# Altium PCB top_LM358.PcbDoc (part 4 of 6) (continued)
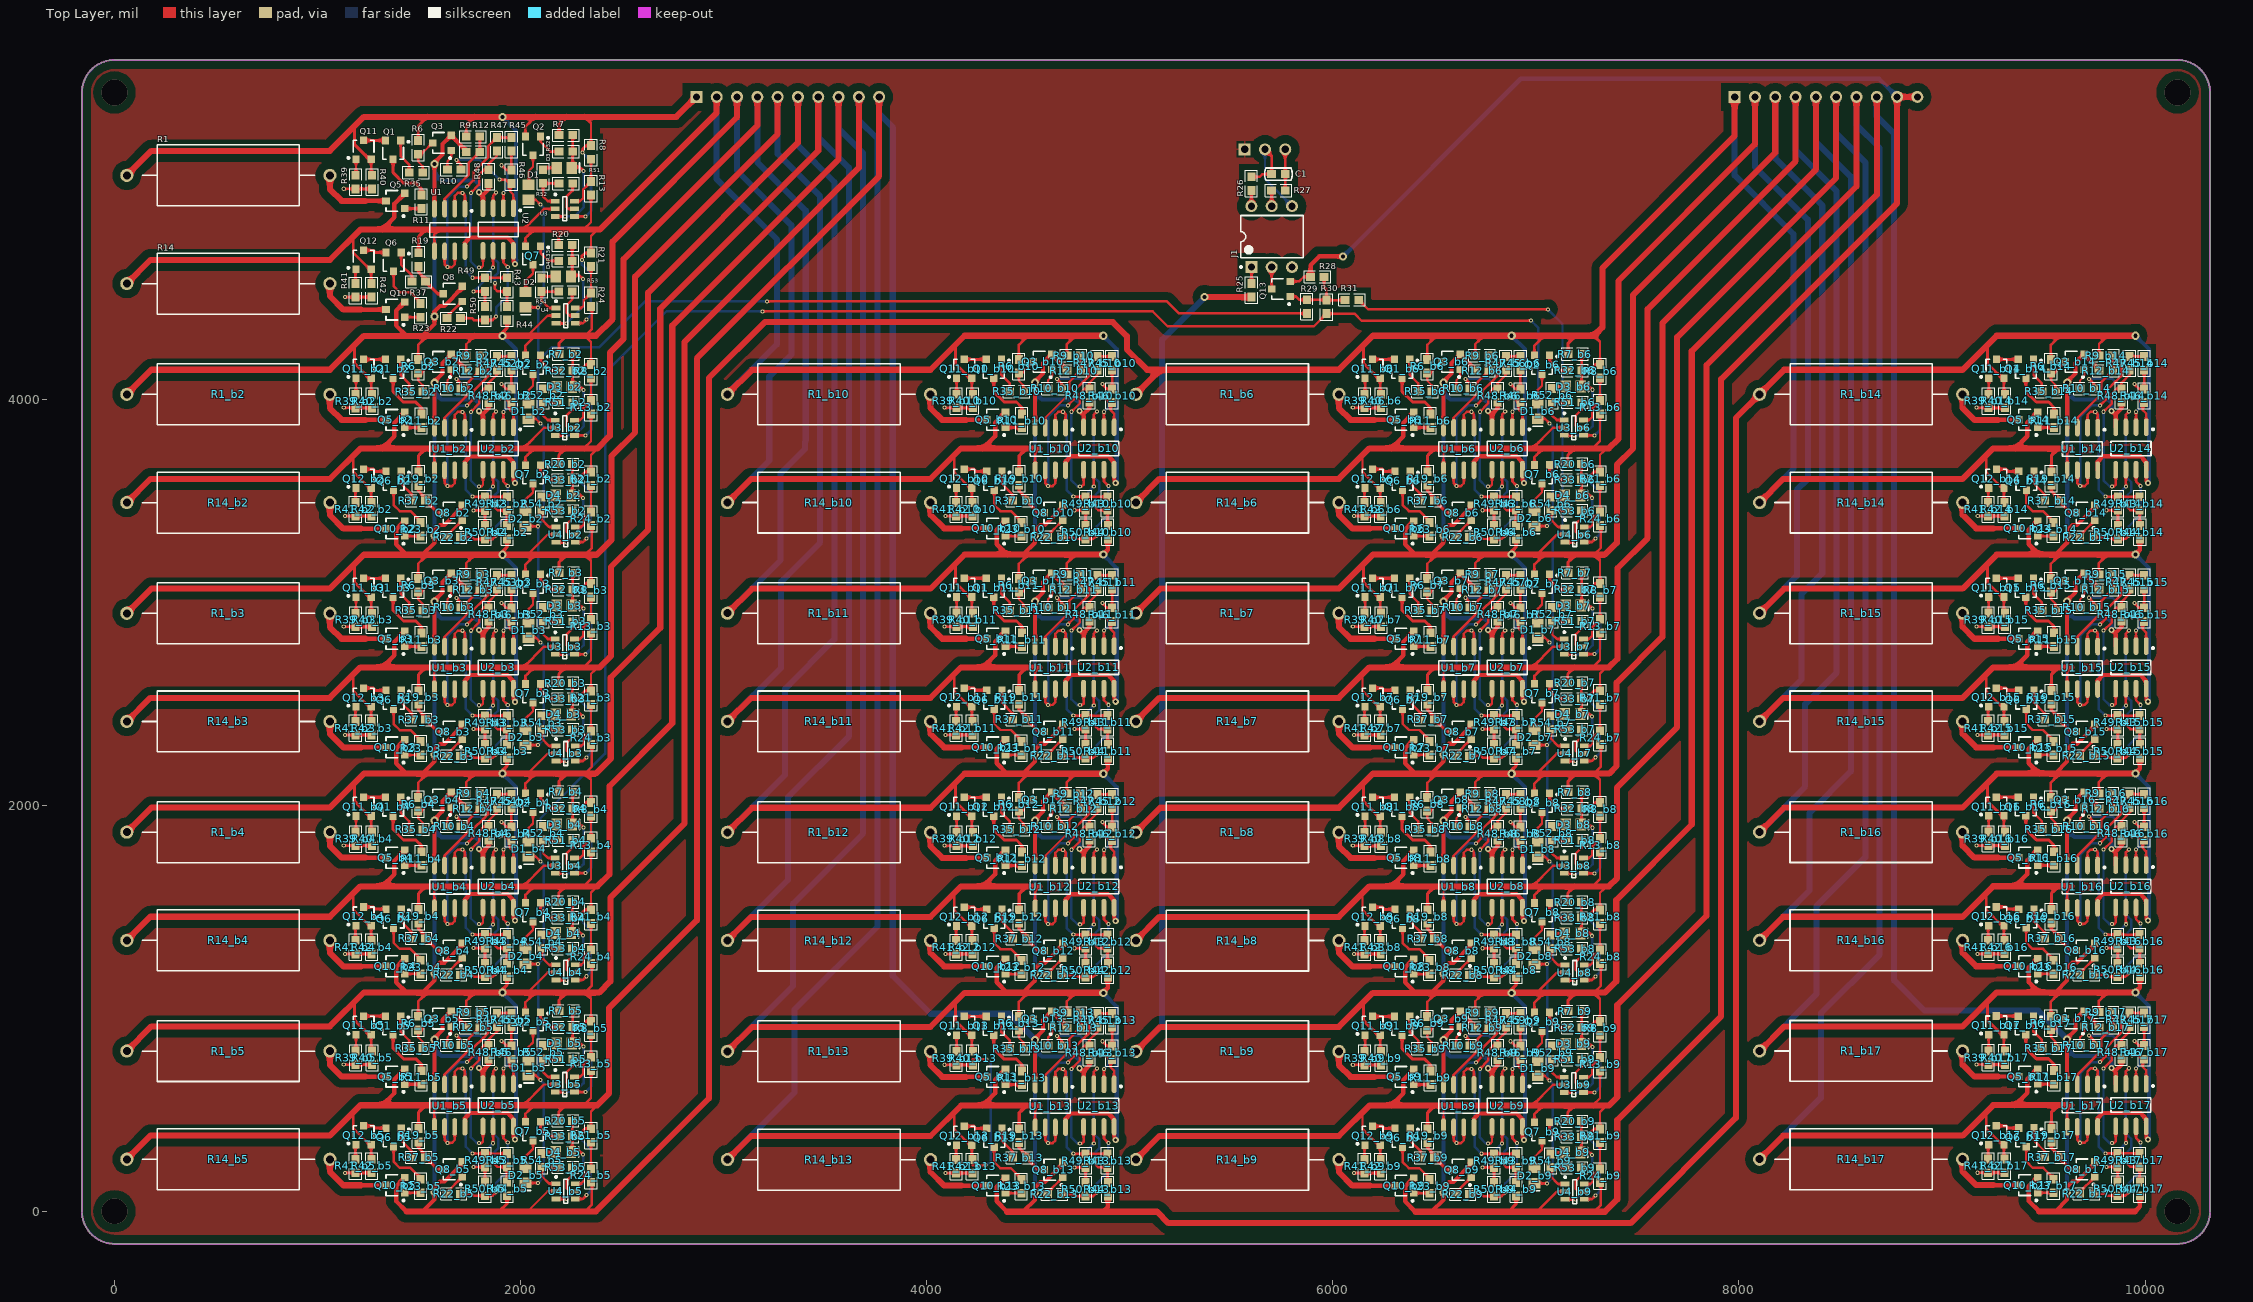
[diagram p0: Top Layer view]
## Nets (pads, with @x,y where several pads share a name; then routed paths per layer and width w, separated by ;. In a path a pad name is that pad's centre, name@x,y a point inside that pad or via, vN(x,y) a via of type N, cw(c..) or ccw(c..) an arc to the next point about the centre after c; other vN are vias at no path point) (continued)
  Bottom Layer w30: P2.8@8678.82,5488.32 8678.82,5392.32 8763.82,5307.32 8763.82,1138 8913.82,988 9475.15,988 v2(9616.57,846.58)
IN_C8: P2.9 P2.10 Q3_b9.2 Q8_b9.2 Q10_b9.2 Q13.2 R12_b9.1 R24_b9.1 R28.1 R44_b9.2 R48_b9.2 U1_b9.4 U2_b9.4 U4_b9.2 | length 13259.1
  Top Layer w12: Q13.2@5791.08,4579.72 5834.23,4579.72 5856.82,4602.32 R28.1@5890.36,4602.32 ; 7004.79,-1.46 7103.25,97 U4_b9.2@7144.01,97 ; 7286.67,-1.8 7320.25,31.78 7320.25,137.08 R24_b9.1@7315.94,141.39
  Top Layer w15: 6867.25,-2.21 6867.25,1 6903.08,36.82 R44_b9.2@6903.08,75.12
  Top Layer w20: 6488.94,0.39 6545.08,56.53 v2(6545.08,92.58) 6545.08,117.58 6572.08,144.58 6593.52,144.58 6681.34,232.4 Q8_b9.2@6681.34,241.98 ; U1_b9.4@6545.08,623.07 v2(6545.08,844.58) 6545.08,850.58 6585.08,890.58 6585.08,941.72 Q3_b9.2@6628.34,984.98 6628.34,982.23 6701.61,908.96 R12_b9.1@6701.61,903.58 ; v3(6764.08,704.58) 6778.08,690.58 6784.08,690.58 ; U2_b9.4@6784.08,625.34 6784.08,690.58 ; R48_b9.2@6812.08,748.12 6812.08,718.58 6784.08,690.58
  Top Layer w22: R28.1@5890.36,4602.32 5890.36,4658.86 5933.82,4702.32 v2(6049.82,4702.32) ; Q10_b9.2@6399.2,164.26 6355.94,121 6355.94,48.86 6406.26,-1.46
  Top Layer w30: 6407.01,-2.21 6867.25,-2.21 7340.08,-2.21 7401,58.71 7401,449 7912.62,960.62 7912.62,4098.25 8779,4964.63 P2.9@8779,5488 ; P2.9@8778.82,5488.32 P2.10@8878.82,5488.32
  Bottom Layer w20: v2(6545.08,92.58) 6545.08,797.58 ; v2(6545.08,844.58) 6545.08,797.58 ; v3(6764.08,704.58) 6764.08,743.58 6745.08,762.58 6580.08,762.58 6545.08,797.58
  Bottom Layer w22: v2@6050.82,4702.32 6925.5,5577 8690.14,5577 P2.9@8778.82,5488.32
NetD1_1: D1.1 Q2.3 | length 153
  Top Layer w12: D1.1@2040,5056.4 2040,5123 2061,5144 Q2.3@2061,5200.74
NetD1_b2_1: D1_b2.1 Q2_b2.3 | length 153
  Top Layer w12: D1_b2.1@2040,3978.08 2040,4044.68 2061,4065.68 Q2_b2.3@2061,4122.42
NetD1_b3_1: D1_b3.1 Q2_b3.3 | length 153
  Top Layer w12: D1_b3.1@2040,2900.08 2040,2966.68 2061,2987.68 Q2_b3.3@2061,3044.42
NetD1_b4_1: D1_b4.1 Q2_b4.3 | length 153
  Top Layer w12: D1_b4.1@2040,1822.08 2040,1888.68 2061,1909.68 Q2_b4.3@2061,1966.42
NetD1_b5_1: D1_b5.1 Q2_b5.3 | length 153
  Top Layer w12: D1_b5.1@2040,744.08 2040,810.68 2061,831.68 Q2_b5.3@2061,888.42
NetD1_b6_1: D1_b6.1 Q2_b6.3 | length 153
  Top Layer w12: D1_b6.1@7009.25,3978.4 7009.25,4045 7030.25,4066 Q2_b6.3@7030.25,4122.74
NetD1_b7_1: D1_b7.1 Q2_b7.3 | length 153
  Top Layer w12: D1_b7.1@7009.25,2900.4 7009.25,2967 7030.25,2988 Q2_b7.3@7030.25,3044.74
NetD1_b8_1: D1_b8.1 Q2_b8.3 | length 153
  Top Layer w12: D1_b8.1@7009.25,1821.4 7009.25,1888 7030.25,1909 Q2_b8.3@7030.25,1965.74
NetD1_b9_1: D1_b9.1 Q2_b9.3 | length 153
  Top Layer w12: D1_b9.1@7009.25,742.4 7009.25,809 7030.25,830 Q2_b9.3@7030.25,886.74
NetD1_b10_1: 
NetD1_b11_1: 
NetD1_b12_1: 
NetD1_b13_1: 
NetD1_b14_1: 
NetD1_b15_1: 
NetD1_b16_1: 
NetD1_b17_1: 
NetD2_1: D2.1 Q7.3 | length 148.2
  Top Layer w12: D2.1@2025,4527.4 2025,4583 2061,4619 Q7.3@2061,4660.74
NetD2_b2_1: D2_b2.1 Q7_b2.3 | length 148.2
  Top Layer w12: D2_b2.1@2025,3449.08 2025,3504.68 2061,3540.68 Q7_b2.3@2061,3582.42
NetD2_b3_1: D2_b3.1 Q7_b3.3 | length 148.2
  Top Layer w12: D2_b3.1@2025,2371.08 2025,2426.68 2061,2462.68 Q7_b3.3@2061,2504.42
NetD2_b4_1: D2_b4.1 Q7_b4.3 | length 148.2
  Top Layer w12: D2_b4.1@2025,1293.08 2025,1348.68 2061,1384.68 Q7_b4.3@2061,1426.42
NetD2_b5_1: D2_b5.1 Q7_b5.3 | length 148.2
  Top Layer w12: D2_b5.1@2025,215.08 2025,270.68 2061,306.68 Q7_b5.3@2061,348.42
NetD2_b6_1: D2_b6.1 Q7_b6.3 | length 148.2
  Top Layer w12: D2_b6.1@6994.25,3449.4 6994.25,3505 7030.25,3541 Q7_b6.3@7030.25,3582.74
NetD2_b7_1: D2_b7.1 Q7_b7.3 | length 148.2
  Top Layer w12: D2_b7.1@6994.25,2371.4 6994.25,2427 7030.25,2463 Q7_b7.3@7030.25,2504.74
NetD2_b8_1: D2_b8.1 Q7_b8.3 | length 148.2
  Top Layer w12: D2_b8.1@6994.25,1292.4 6994.25,1348 7030.25,1384 Q7_b8.3@7030.25,1425.74
NetD2_b9_1: D2_b9.1 Q7_b9.3 | length 148.2
  Top Layer w12: D2_b9.1@6994.25,213.4 6994.25,269 7030.25,305 Q7_b9.3@7030.25,346.74
NetD2_b10_1: 
NetD2_b11_1: 
NetD2_b12_1: 
NetD2_b13_1: 
NetD2_b14_1: 
NetD2_b15_1: 
NetD2_b16_1: 
NetD2_b17_1: 
NetD3_1: D3.1 R52.2 | length 70.5
  Top Layer w12: R52.2@2111,5129.46 2120.54,5139 D3.1@2177.6,5139
NetD3_b2_1: D3_b2.1 R52_b2.2 | length 70.5
  Top Layer w12: R52_b2.2@2111,4051.14 2120.54,4060.68 D3_b2.1@2177.6,4060.68
NetD3_b3_1: D3_b3.1 R52_b3.2 | length 70.5
  Top Layer w12: R52_b3.2@2111,2973.14 2120.54,2982.68 D3_b3.1@2177.6,2982.68
NetD3_b4_1: D3_b4.1 R52_b4.2 | length 70.5
  Top Layer w12: R52_b4.2@2111,1895.14 2120.54,1904.68 D3_b4.1@2177.6,1904.68
NetD3_b5_1: D3_b5.1 R52_b5.2 | length 70.5
  Top Layer w12: R52_b5.2@2111,817.14 2120.54,826.68 D3_b5.1@2177.6,826.68
NetD3_b6_1: D3_b6.1 R52_b6.2 | length 70.5
  Top Layer w12: R52_b6.2@7080.25,4051.46 7089.79,4061 D3_b6.1@7146.85,4061
NetD3_b7_1: D3_b7.1 R52_b7.2 | length 70.5
  Top Layer w12: R52_b7.2@7080.25,2973.46 7089.79,2983 D3_b7.1@7146.85,2983
NetD3_b8_1: D3_b8.1 R52_b8.2 | length 70.5
  Top Layer w12: R52_b8.2@7080.25,1894.46 7089.79,1904 D3_b8.1@7146.85,1904
NetD3_b9_1: D3_b9.1 R52_b9.2 | length 70.5
  Top Layer w12: R52_b9.2@7080.25,815.46 7089.79,825 D3_b9.1@7146.85,825
NetD3_b10_1: 
NetD3_b11_1: 
NetD3_b12_1: 
NetD3_b13_1: 
NetD3_b14_1: 
NetD3_b15_1: 
NetD3_b16_1: 
NetD3_b17_1: 
NetD4_1: D4.1 R54.2 | length 72.7
  Top Layer w12: R54.2@2104,4596.46 2111.54,4604 D4.1@2173.6,4604
NetD4_b2_1: D4_b2.1 R54_b2.2 | length 72.7
  Top Layer w12: R54_b2.2@2104,3518.14 2111.54,3525.68 D4_b2.1@2173.6,3525.68
NetD4_b3_1: D4_b3.1 R54_b3.2 | length 72.7
  Top Layer w12: R54_b3.2@2104,2440.14 2111.54,2447.68 D4_b3.1@2173.6,2447.68
NetD4_b4_1: D4_b4.1 R54_b4.2 | length 72.7
  Top Layer w12: R54_b4.2@2104,1362.14 2111.54,1369.68 D4_b4.1@2173.6,1369.68
NetD4_b5_1: D4_b5.1 R54_b5.2 | length 72.7
  Top Layer w12: R54_b5.2@2104,284.14 2111.54,291.68 D4_b5.1@2173.6,291.68
NetD4_b6_1: D4_b6.1 R54_b6.2 | length 72.7
  Top Layer w12: R54_b6.2@7073.25,3518.46 7080.79,3526 D4_b6.1@7142.85,3526
NetD4_b7_1: D4_b7.1 R54_b7.2 | length 72.7
  Top Layer w12: R54_b7.2@7073.25,2440.46 7080.79,2448 D4_b7.1@7142.85,2448
NetD4_b8_1: D4_b8.1 R54_b8.2 | length 72.7
  Top Layer w12: R54_b8.2@7073.25,1361.46 7080.79,1369 D4_b8.1@7142.85,1369
NetD4_b9_1: D4_b9.1 R54_b9.2 | length 72.7
  Top Layer w12: R54_b9.2@7073.25,282.46 7080.79,290 D4_b9.1@7142.85,290
NetD4_b10_1: 
NetD4_b11_1: 
NetD4_b12_1: 
NetD4_b13_1: 
NetD4_b14_1: 
NetD4_b15_1: 
NetD4_b16_1: 
NetD4_b17_1: 
NetJ1_1: J1.1 R25.2 | length 79.4
  Top Layer w12: R25.2@5599.82,4569.79 J1.1@5599.82,4649.18
NetJ1_2: J1.2 Q13.3 | length 107.9
  Top Layer w12: Q13.3@5698.56,4542.32 5698.56,4649.56 J1.2@5699,4650
NetJ1_5: J1.5 R27.1 | length 76.5
  Top Layer w12: J1.5@5699,4950 R27.1@5699,5026.54
NetJ1_6: J1.6 R26.1 | length 77.5
  Top Layer w12: J1.6@5599,4950 R26.1@5599,5027.54
NetQ1_1: Q1.1 R35.2 | length 175.3
  Top Layer w12: Q1.1@1409.63,5273.58 1409.63,5196.78 1451.36,5155.05 R35.2@1451.36,5115.58
NetQ1_2: Q1.2 Q11.3 | length 107.7
  Top Layer w15: Q11.3@1227.08,5273.58 Q1.2@1334.82,5273.58
NetQ1_3: Q1.3 R11.2 | length 268.8
  Top Layer w15: Q1.3@1372.23,5181.06 1372.23,5114.79 1423.69,5063.32 1484.08,5063.32 1510.82,5036.58 R11.2@1510.82,5005.05
NetQ1_b2_1: Q1_b2.1 R35_b2.2 | length 175.3
  Top Layer w12: Q1_b2.1@1409.63,4195.26 1409.63,4118.46 1451.36,4076.72 R35_b2.2@1451.36,4037.26
NetQ1_b2_2: Q1_b2.2 Q11_b2.3 | length 107.7
  Top Layer w15: Q11_b2.3@1227.08,4195.26 Q1_b2.2@1334.82,4195.26
NetQ1_b2_3: Q1_b2.3 R11_b2.2 | length 268.8
  Top Layer w15: Q1_b2.3@1372.23,4102.74 1372.23,4036.46 1423.69,3985 1484.08,3985 1510.82,3958.26 R11_b2.2@1510.82,3926.72
NetQ1_b3_1: Q1_b3.1 R35_b3.2 | length 175.3
  Top Layer w12: Q1_b3.1@1409.63,3117.26 1409.63,3040.46 1451.36,2998.72 R35_b3.2@1451.36,2959.26
NetQ1_b3_2: Q1_b3.2 Q11_b3.3 | length 107.7
  Top Layer w15: Q11_b3.3@1227.08,3117.26 Q1_b3.2@1334.82,3117.26
NetQ1_b3_3: Q1_b3.3 R11_b3.2 | length 268.8
  Top Layer w15: Q1_b3.3@1372.23,3024.74 1372.23,2958.46 1423.69,2907 1484.08,2907 1510.82,2880.26 R11_b3.2@1510.82,2848.72
NetQ1_b4_1: Q1_b4.1 R35_b4.2 | length 175.3
  Top Layer w12: Q1_b4.1@1409.63,2039.26 1409.63,1962.46 1451.36,1920.72 R35_b4.2@1451.36,1881.26
NetQ1_b4_2: Q1_b4.2 Q11_b4.3 | length 107.7
  Top Layer w15: Q11_b4.3@1227.08,2039.26 Q1_b4.2@1334.82,2039.26
NetQ1_b4_3: Q1_b4.3 R11_b4.2 | length 268.8
  Top Layer w15: Q1_b4.3@1372.23,1946.74 1372.23,1880.46 1423.69,1829 1484.08,1829 1510.82,1802.26 R11_b4.2@1510.82,1770.72
NetQ1_b5_1: Q1_b5.1 R35_b5.2 | length 175.3
  Top Layer w12: Q1_b5.1@1409.63,961.26 1409.63,884.46 1451.36,842.72 R35_b5.2@1451.36,803.26
NetQ1_b5_2: Q1_b5.2 Q11_b5.3 | length 107.7
  Top Layer w15: Q11_b5.3@1227.08,961.26 Q1_b5.2@1334.82,961.26
NetQ1_b5_3: Q1_b5.3 R11_b5.2 | length 268.8
  Top Layer w15: Q1_b5.3@1372.23,868.74 1372.23,802.46 1423.69,751 1484.08,751 1510.82,724.26 R11_b5.2@1510.82,692.72
NetQ1_b6_1: Q1_b6.1 R35_b6.2 | length 175.3
  Top Layer w12: Q1_b6.1@6378.88,4195.58 6378.88,4118.78 6420.61,4077.05 R35_b6.2@6420.61,4037.58
NetQ1_b6_2: Q1_b6.2 Q11_b6.3 | length 107.7
  Top Layer w15: Q11_b6.3@6196.34,4195.58 Q1_b6.2@6304.08,4195.58
NetQ1_b6_3: Q1_b6.3 R11_b6.2 | length 268.8
  Top Layer w15: Q1_b6.3@6341.48,4103.06 6341.48,4036.79 6392.94,3985.32 6453.34,3985.32 6480.08,3958.58 R11_b6.2@6480.08,3927.05
NetQ1_b7_1: Q1_b7.1 R35_b7.2 | length 175.3
  Top Layer w12: Q1_b7.1@6378.88,3117.58 6378.88,3040.78 6420.61,2999.05 R35_b7.2@6420.61,2959.58
NetQ1_b7_2: Q1_b7.2 Q11_b7.3 | length 107.7
  Top Layer w15: Q11_b7.3@6196.34,3117.58 Q1_b7.2@6304.08,3117.58
NetQ1_b7_3: Q1_b7.3 R11_b7.2 | length 268.8
  Top Layer w15: Q1_b7.3@6341.48,3025.06 6341.48,2958.79 6392.94,2907.32 6453.34,2907.32 6480.08,2880.58 R11_b7.2@6480.08,2849.05
NetQ1_b8_1: Q1_b8.1 R35_b8.2 | length 175.3
  Top Layer w12: Q1_b8.1@6378.88,2038.58 6378.88,1961.78 6420.61,1920.05 R35_b8.2@6420.61,1880.58
NetQ1_b8_2: Q1_b8.2 Q11_b8.3 | length 107.7
  Top Layer w15: Q11_b8.3@6196.34,2038.58 Q1_b8.2@6304.08,2038.58
NetQ1_b8_3: Q1_b8.3 R11_b8.2 | length 268.8
  Top Layer w15: Q1_b8.3@6341.48,1946.06 6341.48,1879.79 6392.94,1828.32 6453.34,1828.32 6480.08,1801.58 R11_b8.2@6480.08,1770.05
NetQ1_b9_1: Q1_b9.1 R35_b9.2 | length 175.3
  Top Layer w12: Q1_b9.1@6378.88,959.58 6378.88,882.78 6420.61,841.05 R35_b9.2@6420.61,801.58
NetQ1_b9_2: Q1_b9.2 Q11_b9.3 | length 107.7
  Top Layer w15: Q11_b9.3@6196.34,959.58 Q1_b9.2@6304.08,959.58
NetQ1_b9_3: Q1_b9.3 R11_b9.2 | length 268.8
  Top Layer w15: Q1_b9.3@6341.48,867.06 6341.48,800.79 6392.94,749.32 6453.34,749.32 6480.08,722.58 R11_b9.2@6480.08,691.05
NetQ1_b10_1: Q1_b10.1 R35_b10.2 | length 175.3
  Top Layer w12: Q1_b10.1@4367.63,4195.58 4367.63,4118.78 4409.36,4077.05 R35_b10.2@4409.36,4037.58
NetQ1_b10_2: Q1_b10.2 Q11_b10.3 | length 107.7
  Top Layer w15: Q11_b10.3@4185.08,4195.58 Q1_b10.2@4292.82,4195.58
NetQ1_b10_3: Q1_b10.3 R11_b10.2 | length 268.8
  Top Layer w15: Q1_b10.3@4330.23,4103.06 4330.23,4036.79 4381.69,3985.32 4442.08,3985.32 4468.82,3958.58 R11_b10.2@4468.82,3927.05
NetQ1_b11_1: Q1_b11.1 R35_b11.2 | length 175.3
  Top Layer w12: Q1_b11.1@4367.63,3117.58 4367.63,3040.78 4409.36,2999.05 R35_b11.2@4409.36,2959.58
NetQ1_b11_2: Q1_b11.2 Q11_b11.3 | length 107.7
  Top Layer w15: Q11_b11.3@4185.08,3117.58 Q1_b11.2@4292.82,3117.58
NetQ1_b11_3: Q1_b11.3 R11_b11.2 | length 268.8
  Top Layer w15: Q1_b11.3@4330.23,3025.06 4330.23,2958.79 4381.69,2907.32 4442.08,2907.32 4468.82,2880.58 R11_b11.2@4468.82,2849.05
NetQ1_b12_1: Q1_b12.1 R35_b12.2 | length 175.3
  Top Layer w12: Q1_b12.1@4367.63,2038.58 4367.63,1961.78 4409.36,1920.05 R35_b12.2@4409.36,1880.58
NetQ1_b12_2: Q1_b12.2 Q11_b12.3 | length 107.7
  Top Layer w15: Q11_b12.3@4185.08,2038.58 Q1_b12.2@4292.82,2038.58
NetQ1_b12_3: Q1_b12.3 R11_b12.2 | length 268.8
  Top Layer w15: Q1_b12.3@4330.23,1946.06 4330.23,1879.79 4381.69,1828.32 4442.08,1828.32 4468.82,1801.58 R11_b12.2@4468.82,1770.05
NetQ1_b13_1: Q1_b13.1 R35_b13.2 | length 175.3
  Top Layer w12: Q1_b13.1@4367.63,959.58 4367.63,882.78 4409.36,841.05 R35_b13.2@4409.36,801.58
NetQ1_b13_2: Q1_b13.2 Q11_b13.3 | length 107.7
  Top Layer w15: Q11_b13.3@4185.08,959.58 Q1_b13.2@4292.82,959.58
NetQ1_b13_3: Q1_b13.3 R11_b13.2 | length 268.8
  Top Layer w15: Q1_b13.3@4330.23,867.06 4330.23,800.79 4381.69,749.32 4442.08,749.32 4468.82,722.58 R11_b13.2@4468.82,691.05
NetQ1_b14_1: Q1_b14.1 R35_b14.2 | length 175.3
  Top Layer w12: Q1_b14.1@9450.63,4195.58 9450.63,4118.78 9492.36,4077.05 R35_b14.2@9492.36,4037.58
NetQ1_b14_2: Q1_b14.2 Q11_b14.3 | length 107.7
  Top Layer w15: Q11_b14.3@9268.08,4195.58 Q1_b14.2@9375.82,4195.58
NetQ1_b14_3: Q1_b14.3 R11_b14.2 | length 268.8
  Top Layer w15: Q1_b14.3@9413.23,4103.06 9413.23,4036.79 9464.69,3985.32 9525.08,3985.32 9551.82,3958.58 R11_b14.2@9551.82,3927.05
NetQ1_b15_1: Q1_b15.1 R35_b15.2 | length 175.3
  Top Layer w12: Q1_b15.1@9450.38,3117.58 9450.38,3040.78 9492.11,2999.05 R35_b15.2@9492.11,2959.58
NetQ1_b15_2: Q1_b15.2 Q11_b15.3 | length 107.7
  Top Layer w15: Q11_b15.3@9267.83,3117.58 Q1_b15.2@9375.57,3117.58
NetQ1_b15_3: Q1_b15.3 R11_b15.2 | length 268.8
  Top Layer w15: Q1_b15.3@9412.97,3025.06 9412.97,2958.79 9464.44,2907.32 9524.83,2907.32 9551.57,2880.58 R11_b15.2@9551.57,2849.05
NetQ1_b16_1: Q1_b16.1 R35_b16.2 | length 175.3
  Top Layer w12: Q1_b16.1@9450.38,2039.58 9450.38,1962.78 9492.11,1921.05 R35_b16.2@9492.11,1881.58
NetQ1_b16_2: Q1_b16.2 Q11_b16.3 | length 107.7
  Top Layer w15: Q11_b16.3@9267.83,2039.58 Q1_b16.2@9375.57,2039.58
NetQ1_b16_3: Q1_b16.3 R11_b16.2 | length 268.8
  Top Layer w15: Q1_b16.3@9412.97,1947.06 9412.97,1880.79 9464.44,1829.32 9524.83,1829.32 9551.57,1802.58 R11_b16.2@9551.57,1771.05
NetQ1_b17_1: Q1_b17.1 R35_b17.2 | length 175.3
  Top Layer w12: Q1_b17.1@9450.38,961.58 9450.38,884.78 9492.11,843.05 R35_b17.2@9492.11,803.58
NetQ1_b17_2: Q1_b17.2 Q11_b17.3 | length 107.7
  Top Layer w15: Q11_b17.3@9267.83,961.58 Q1_b17.2@9375.57,961.58
NetQ1_b17_3: Q1_b17.3 R11_b17.2 | length 268.8
  Top Layer w15: Q1_b17.3@9412.97,869.06 9412.97,802.79 9464.44,751.32 9524.83,751.32 9551.57,724.58 R11_b17.2@9551.57,693.05
NetQ2_1: Q2.1 R32.2 | length 136.9
  Top Layer w12: Q2.1@2098.4,5293.26 2098.4,5267.6 2147,5219 R32.2@2189.54,5219
NetQ2_b2_1: Q2_b2.1 R32_b2.2 | length 136.9
  Top Layer w12: Q2_b2.1@2098.4,4214.94 2098.4,4189.28 2147,4140.68 R32_b2.2@2189.54,4140.68
NetQ2_b3_1: Q2_b3.1 R32_b3.2 | length 136.9
  Top Layer w12: Q2_b3.1@2098.4,3136.94 2098.4,3111.28 2147,3062.68 R32_b3.2@2189.54,3062.68
NetQ2_b4_1: Q2_b4.1 R32_b4.2 | length 136.9
  Top Layer w12: Q2_b4.1@2098.4,2058.94 2098.4,2033.28 2147,1984.68 R32_b4.2@2189.54,1984.68
NetQ2_b5_1: Q2_b5.1 R32_b5.2 | length 136.9
  Top Layer w12: Q2_b5.1@2098.4,980.94 2098.4,955.28 2147,906.68 R32_b5.2@2189.54,906.68
NetQ2_b6_1: Q2_b6.1 R32_b6.2 | length 136.9
  Top Layer w12: Q2_b6.1@7067.65,4215.26 7067.65,4189.6 7116.25,4141 R32_b6.2@7158.79,4141
NetQ2_b7_1: Q2_b7.1 R32_b7.2 | length 136.9
  Top Layer w12: Q2_b7.1@7067.65,3137.26 7067.65,3111.6 7116.25,3063 R32_b7.2@7158.79,3063
NetQ2_b8_1: Q2_b8.1 R32_b8.2 | length 136.9
  Top Layer w12: Q2_b8.1@7067.65,2058.26 7067.65,2032.6 7116.25,1984 R32_b8.2@7158.79,1984
NetQ2_b9_1: Q2_b9.1 R32_b9.2 | length 136.9
  Top Layer w12: Q2_b9.1@7067.65,979.26 7067.65,953.6 7116.25,905 R32_b9.2@7158.79,905
NetQ2_b10_1: 
NetQ2_b11_1: 
NetQ2_b12_1: 
NetQ2_b13_1: 
NetQ2_b14_1: 
NetQ2_b15_1: 
NetQ2_b16_1: 
NetQ2_b17_1: 
NetQ3_1: Q3.1 R10.1 | length 101.8
  Top Layer w10: R10.1@1639.36,5130.58 1639.36,5170.12 1659.08,5189.84 Q3.1@1659.08,5224.18
NetQ3_3: Q3.3 R6.1 R35.1 | length 193.4
  Top Layer w10: R6.1@1495.69,5205.86 R6.1@1496.09,5205.86 ; R35.1@1518.29,5115.58 1518.29,5147.12 1496.09,5169.31 R6.1@1496.09,5205.86 ; Q3.3@1566.56,5261.58 1510.84,5205.86 R6.1@1496.09,5205.86
NetQ3_b2_1: Q3_b2.1 R10_b2.1 | length 101.8
  Top Layer w10: R10_b2.1@1639.36,4052.26 1639.36,4091.8 1659.08,4111.52 Q3_b2.1@1659.08,4145.86
NetQ3_b2_3: Q3_b2.3 R6_b2.1 R35_b2.1 | length 193.4
  Top Layer w10: R6_b2.1@1495.69,4127.54 R6_b2.1@1496.09,4127.54 ; R35_b2.1@1518.29,4037.26 1518.29,4068.8 1496.09,4090.99 R6_b2.1@1496.09,4127.54 ; Q3_b2.3@1566.56,4183.26 1510.84,4127.54 R6_b2.1@1496.09,4127.54
NetQ3_b3_1: Q3_b3.1 R10_b3.1 | length 101.8
  Top Layer w10: R10_b3.1@1639.36,2974.26 1639.36,3013.8 1659.08,3033.52 Q3_b3.1@1659.08,3067.86
NetQ3_b3_3: Q3_b3.3 R6_b3.1 R35_b3.1 | length 193.4
  Top Layer w10: R6_b3.1@1495.69,3049.54 R6_b3.1@1496.09,3049.54 ; R35_b3.1@1518.29,2959.26 1518.29,2990.8 1496.09,3012.99 R6_b3.1@1496.09,3049.54 ; Q3_b3.3@1566.56,3105.26 1510.84,3049.54 R6_b3.1@1496.09,3049.54
NetQ3_b4_1: Q3_b4.1 R10_b4.1 | length 101.8
  Top Layer w10: R10_b4.1@1639.36,1896.26 1639.36,1935.8 1659.08,1955.52 Q3_b4.1@1659.08,1989.86
NetQ3_b4_3: Q3_b4.3 R6_b4.1 R35_b4.1 | length 193.4
  Top Layer w10: R6_b4.1@1495.69,1971.54 R6_b4.1@1496.09,1971.54 ; R35_b4.1@1518.29,1881.26 1518.29,1912.8 1496.09,1934.99 R6_b4.1@1496.09,1971.54 ; Q3_b4.3@1566.56,2027.26 1510.84,1971.54 R6_b4.1@1496.09,1971.54
NetQ3_b5_1: Q3_b5.1 R10_b5.1 | length 101.8
  Top Layer w10: R10_b5.1@1639.36,818.26 1639.36,857.8 1659.08,877.52 Q3_b5.1@1659.08,911.86
NetQ3_b5_3: Q3_b5.3 R6_b5.1 R35_b5.1 | length 193.4
  Top Layer w10: R6_b5.1@1495.69,893.54 R6_b5.1@1496.09,893.54 ; R35_b5.1@1518.29,803.26 1518.29,834.8 1496.09,856.99 R6_b5.1@1496.09,893.54 ; Q3_b5.3@1566.56,949.26 1510.84,893.54 R6_b5.1@1496.09,893.54
NetQ3_b6_1: Q3_b6.1 R10_b6.1 | length 101.8
  Top Layer w10: R10_b6.1@6608.61,4052.58 6608.61,4092.12 6628.34,4111.84 Q3_b6.1@6628.34,4146.18
NetQ3_b6_3: Q3_b6.3 R6_b6.1 R35_b6.1 | length 193.4
  Top Layer w10: R6_b6.1@6464.94,4127.86 R6_b6.1@6465.34,4127.86 ; R35_b6.1@6487.54,4037.58 6487.54,4069.12 6465.34,4091.31 R6_b6.1@6465.34,4127.86 ; Q3_b6.3@6535.82,4183.58 6480.09,4127.86 R6_b6.1@6465.34,4127.86
NetQ3_b7_1: Q3_b7.1 R10_b7.1 | length 101.8
  Top Layer w10: R10_b7.1@6608.61,2974.58 6608.61,3014.12 6628.34,3033.84 Q3_b7.1@6628.34,3068.18
NetQ3_b7_3: Q3_b7.3 R6_b7.1 R35_b7.1 | length 193.4
  Top Layer w10: R6_b7.1@6464.94,3049.86 R6_b7.1@6465.34,3049.86 ; R35_b7.1@6487.54,2959.58 6487.54,2991.12 6465.34,3013.31 R6_b7.1@6465.34,3049.86 ; Q3_b7.3@6535.82,3105.58 6480.09,3049.86 R6_b7.1@6465.34,3049.86
NetQ3_b8_1: Q3_b8.1 R10_b8.1 | length 101.8
  Top Layer w10: R10_b8.1@6608.61,1895.58 6608.61,1935.12 6628.34,1954.84 Q3_b8.1@6628.34,1989.18
NetQ3_b8_3: Q3_b8.3 R6_b8.1 R35_b8.1 | length 193.4
  Top Layer w10: R6_b8.1@6464.94,1970.86 R6_b8.1@6465.34,1970.86 ; R35_b8.1@6487.54,1880.58 6487.54,1912.12 6465.34,1934.31 R6_b8.1@6465.34,1970.86 ; Q3_b8.3@6535.82,2026.58 6480.09,1970.86 R6_b8.1@6465.34,1970.86
NetQ3_b9_1: Q3_b9.1 R10_b9.1 | length 101.8
  Top Layer w10: R10_b9.1@6608.61,816.58 6608.61,856.12 6628.34,875.84 Q3_b9.1@6628.34,910.18
NetQ3_b9_3: Q3_b9.3 R6_b9.1 R35_b9.1 | length 193.4
  Top Layer w10: R6_b9.1@6464.94,891.86 R6_b9.1@6465.34,891.86 ; R35_b9.1@6487.54,801.58 6487.54,833.12 6465.34,855.31 R6_b9.1@6465.34,891.86 ; Q3_b9.3@6535.82,947.58 6480.09,891.86 R6_b9.1@6465.34,891.86
NetQ3_b10_1: Q3_b10.1 R10_b10.1 | length 101.8
  Top Layer w10: R10_b10.1@4597.36,4052.58 4597.36,4092.12 4617.08,4111.84 Q3_b10.1@4617.08,4146.18
NetQ3_b10_3: Q3_b10.3 R6_b10.1 R35_b10.1 | length 193.4
  Top Layer w10: R6_b10.1@4453.69,4127.86 R6_b10.1@4454.09,4127.86 ; R35_b10.1@4476.29,4037.58 4476.29,4069.12 4454.09,4091.31 R6_b10.1@4454.09,4127.86 ; Q3_b10.3@4524.56,4183.58 4468.84,4127.86 R6_b10.1@4454.09,4127.86
NetQ3_b11_1: Q3_b11.1 R10_b11.1 | length 101.8
  Top Layer w10: R10_b11.1@4597.36,2974.58 4597.36,3014.12 4617.08,3033.84 Q3_b11.1@4617.08,3068.18
NetQ3_b11_3: Q3_b11.3 R6_b11.1 R35_b11.1 | length 193.4
  Top Layer w10: R6_b11.1@4453.69,3049.86 R6_b11.1@4454.09,3049.86 ; R35_b11.1@4476.29,2959.58 4476.29,2991.12 4454.09,3013.31 R6_b11.1@4454.09,3049.86 ; Q3_b11.3@4524.56,3105.58 4468.84,3049.86 R6_b11.1@4454.09,3049.86
NetQ3_b12_1: Q3_b12.1 R10_b12.1 | length 101.8
  Top Layer w10: R10_b12.1@4597.36,1895.58 4597.36,1935.12 4617.08,1954.84 Q3_b12.1@4617.08,1989.18
NetQ3_b12_3: Q3_b12.3 R6_b12.1 R35_b12.1 | length 193.4
  Top Layer w10: R6_b12.1@4453.69,1970.86 R6_b12.1@4454.09,1970.86 ; R35_b12.1@4476.29,1880.58 4476.29,1912.12 4454.09,1934.31 R6_b12.1@4454.09,1970.86 ; Q3_b12.3@4524.56,2026.58 4468.84,1970.86 R6_b12.1@4454.09,1970.86
NetQ3_b13_1: Q3_b13.1 R10_b13.1 | length 101.8
  Top Layer w10: R10_b13.1@4597.36,816.58 4597.36,856.12 4617.08,875.84 Q3_b13.1@4617.08,910.18
NetQ3_b13_3: Q3_b13.3 R6_b13.1 R35_b13.1 | length 193.4
  Top Layer w10: R6_b13.1@4453.69,891.86 R6_b13.1@4454.09,891.86 ; R35_b13.1@4476.29,801.58 4476.29,833.12 4454.09,855.31 R6_b13.1@4454.09,891.86 ; Q3_b13.3@4524.56,947.58 4468.84,891.86 R6_b13.1@4454.09,891.86
NetQ3_b14_1: Q3_b14.1 R10_b14.1 | length 101.8
  Top Layer w10: R10_b14.1@9680.36,4052.58 9680.36,4092.12 9700.08,4111.84 Q3_b14.1@9700.08,4146.18
NetQ3_b14_3: Q3_b14.3 R6_b14.1 R35_b14.1 | length 193.4
  Top Layer w10: R6_b14.1@9536.69,4127.86 R6_b14.1@9537.09,4127.86 ; R35_b14.1@9559.29,4037.58 9559.29,4069.12 9537.09,4091.31 R6_b14.1@9537.09,4127.86 ; Q3_b14.3@9607.56,4183.58 9551.84,4127.86 R6_b14.1@9537.09,4127.86
NetQ3_b15_1: Q3_b15.1 R10_b15.1 | length 101.8
  Top Layer w10: R10_b15.1@9680.11,2974.58 9680.11,3014.12 9699.83,3033.84 Q3_b15.1@9699.83,3068.18
NetQ3_b15_3: Q3_b15.3 R6_b15.1 R35_b15.1 | length 193.4
  Top Layer w10: R6_b15.1@9536.44,3049.86 R6_b15.1@9536.84,3049.86 ; R35_b15.1@9559.04,2959.58 9559.04,2991.12 9536.84,3013.31 R6_b15.1@9536.84,3049.86 ; Q3_b15.3@9607.31,3105.58 9551.59,3049.86 R6_b15.1@9536.84,3049.86
NetQ3_b16_1: Q3_b16.1 R10_b16.1 | length 101.8
  Top Layer w10: R10_b16.1@9680.11,1896.58 9680.11,1936.12 9699.83,1955.84 Q3_b16.1@9699.83,1990.18
NetQ3_b16_3: Q3_b16.3 R6_b16.1 R35_b16.1 | length 193.4
  Top Layer w10: R6_b16.1@9536.44,1971.86 R6_b16.1@9536.84,1971.86 ; R35_b16.1@9559.04,1881.58 9559.04,1913.12 9536.84,1935.31 R6_b16.1@9536.84,1971.86 ; Q3_b16.3@9607.31,2027.58 9551.59,1971.86 R6_b16.1@9536.84,1971.86
NetQ3_b17_1: Q3_b17.1 R10_b17.1 | length 101.8
  Top Layer w10: R10_b17.1@9680.11,818.58 9680.11,858.12 9699.83,877.84 Q3_b17.1@9699.83,912.18
NetQ3_b17_3: Q3_b17.3 R6_b17.1 R35_b17.1 | length 193.4
  Top Layer w10: R6_b17.1@9536.44,893.86 R6_b17.1@9536.84,893.86 ; R35_b17.1@9559.04,803.58 9559.04,835.12 9536.84,857.31 R6_b17.1@9536.84,893.86 ; Q3_b17.3@9607.31,949.58 9551.59,893.86 R6_b17.1@9536.84,893.86
NetQ5_1: Q5.1 R11.1 | length 80.5
  Top Layer w15: Q5.1@1430.29,4938.12 R11.1@1510.82,4938.12
NetQ5_3: Q5.3 R1.1 | length 368.5
  Top Layer w22: 1235.55,4975.86 Q5.3@1337.43,4975.86
  Top Layer w30: R1.1@1060.82,5101.58 1060.82,5033.58 1118.55,4975.86 1235.55,4975.86
NetQ5_b2_1: Q5_b2.1 R11_b2.1 | length 80.5
  Top Layer w15: Q5_b2.1@1430.29,3859.8 R11_b2.1@1510.82,3859.8
NetQ5_b2_3: Q5_b2.3 R1_b2.1 | length 368.5
  Top Layer w22: 1235.55,3897.54 Q5_b2.3@1337.43,3897.53
  Top Layer w30: R1_b2.1@1060.82,4023.26 1060.82,3955.26 1118.55,3897.54 1235.55,3897.54
NetQ5_b3_1: Q5_b3.1 R11_b3.1 | length 80.5
  Top Layer w15: Q5_b3.1@1430.29,2781.8 R11_b3.1@1510.82,2781.8
NetQ5_b3_3: Q5_b3.3 R1_b3.1 | length 368.5
  Top Layer w22: 1235.55,2819.54 Q5_b3.3@1337.43,2819.53
  Top Layer w30: R1_b3.1@1060.82,2945.26 1060.82,2877.26 1118.55,2819.54 1235.55,2819.54
NetQ5_b4_1: Q5_b4.1 R11_b4.1 | length 80.5
  Top Layer w15: Q5_b4.1@1430.29,1703.8 R11_b4.1@1510.82,1703.8
NetQ5_b4_3: Q5_b4.3 R1_b4.1 | length 368.5
  Top Layer w22: 1235.55,1741.54 Q5_b4.3@1337.43,1741.54
  Top Layer w30: R1_b4.1@1060.82,1867.26 1060.82,1799.26 1118.55,1741.54 1235.55,1741.54
NetQ5_b5_1: Q5_b5.1 R11_b5.1 | length 80.5
  Top Layer w15: Q5_b5.1@1430.29,625.8 R11_b5.1@1510.82,625.8
NetQ5_b5_3: Q5_b5.3 R1_b5.1 | length 368.5
  Top Layer w22: 1235.55,663.54 Q5_b5.3@1337.43,663.53
  Top Layer w30: R1_b5.1@1060.82,789.26 1060.82,721.26 1118.55,663.54 1235.55,663.54
NetQ5_b6_1: Q5_b6.1 R11_b6.1 | length 80.5
  Top Layer w15: Q5_b6.1@6399.54,3860.12 R11_b6.1@6480.08,3860.12
NetQ5_b6_3: Q5_b6.3 R1_b6.1 | length 368.5
  Top Layer w22: 6204.8,3897.86 Q5_b6.3@6306.68,3897.86
  Top Layer w30: R1_b6.1@6030.08,4023.58 6030.08,3955.58 6087.8,3897.86 6204.8,3897.86
NetQ5_b7_1: Q5_b7.1 R11_b7.1 | length 80.5
  Top Layer w15: Q5_b7.1@6399.54,2782.12 R11_b7.1@6480.08,2782.12
NetQ5_b7_3: Q5_b7.3 R1_b7.1 | length 368.5
  Top Layer w22: 6204.8,2819.86 Q5_b7.3@6306.68,2819.86
  Top Layer w30: R1_b7.1@6030.08,2945.58 6030.08,2877.58 6087.8,2819.86 6204.8,2819.86
NetQ5_b8_1: Q5_b8.1 R11_b8.1 | length 80.5
  Top Layer w15: Q5_b8.1@6399.54,1703.12 R11_b8.1@6480.08,1703.12
NetQ5_b8_3: Q5_b8.3 R1_b8.1 | length 368.5
  Top Layer w22: 6204.8,1740.86 Q5_b8.3@6306.68,1740.86
  Top Layer w30: R1_b8.1@6030.08,1866.58 6030.08,1798.58 6087.8,1740.86 6204.8,1740.86
NetQ5_b9_1: Q5_b9.1 R11_b9.1 | length 80.5
  Top Layer w15: Q5_b9.1@6399.54,624.12 R11_b9.1@6480.08,624.12
NetQ5_b9_3: Q5_b9.3 R1_b9.1 | length 368.5
  Top Layer w22: 6204.8,661.86 Q5_b9.3@6306.68,661.86
  Top Layer w30: R1_b9.1@6030.08,787.58 6030.08,719.58 6087.8,661.86 6204.8,661.86
NetQ5_b10_1: Q5_b10.1 R11_b10.1 | length 80.5
  Top Layer w15: Q5_b10.1@4388.29,3860.12 R11_b10.1@4468.82,3860.12